# KiCad board q2v2.kicad_pcb (continued)
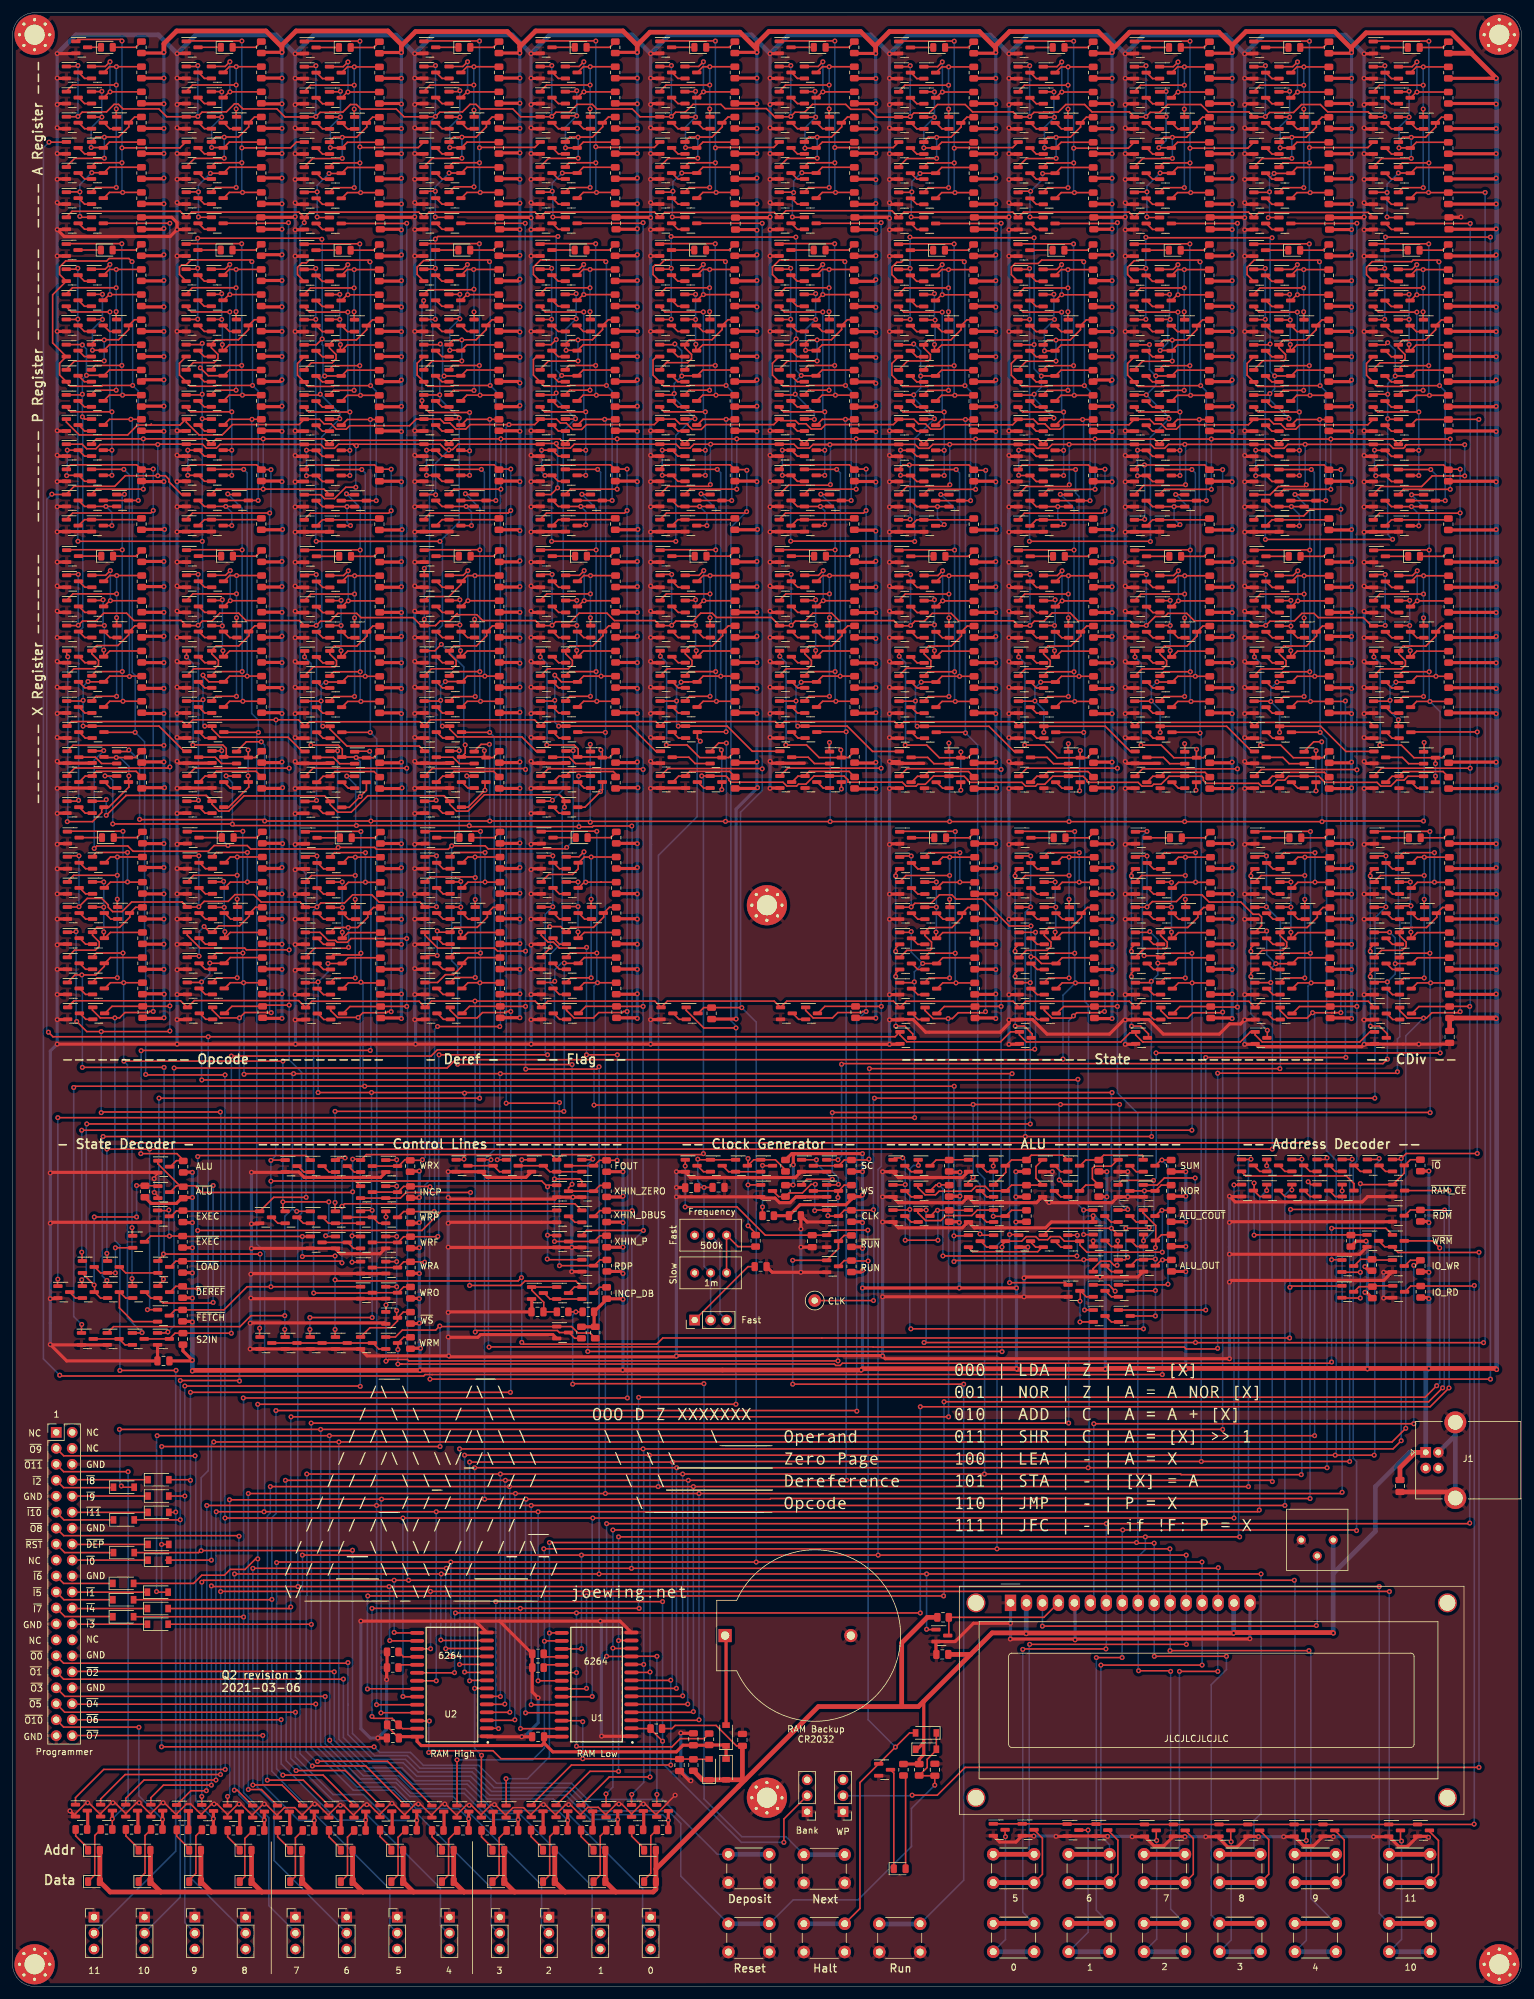
[diagram p0: board, top side]
## Nets (continued)
/Bit 10/~{P}: Q22.1 Q25.1 Q145.1 Q158.1 Q161.3 Q169.1 Q193.1 R67.2
/Bit 10/~{XIN}: Q6.1 Q45.1 Q56.1 Q59.3 Q194.1 R24.2
/Bit 10/~{XOUT}: Q148.1 Q187.1 Q198.1 Q201.3 Q367.1 R83.2
/Bit 11/A Register/A DFF/~{Q}: Q28.1 Q32.1 Q35.3 R15.2
/Bit 11/P Register/P DFF/CLR: Q7.3 Q8.3 Q21.2 Q22.2 Q27.2
/Bit 11/P Register/P DFF/Q: Q14.3 Q18.1 Q19.1 R5.2
/Bit 11/P Register/P DFF/SET: Q5.3 Q6.3 Q16.2 Q17.2
/Bit 11/X Register/X DFF/D: Q44.3 Q46.3 Q47.3 Q48.3 Q67.1 R19.2
/Bit 11/XOUT: Q8.1 Q54.3 Q58.1 Q59.1 R21.2
/Bit 11/~{P}: Q3.1 Q16.1 Q19.3 Q27.1 Q51.1 R8.2
/Decoder/~{STATE_DEREF}: Q82.3 Q106.1 Q128.1 R36.2
/Decoder/~{STATE_LOAD}: Q83.3 Q97.1 Q122.1 R37.2
/Logic/~{WS}: Q105.1 Q108.1 Q110.1 Q111.3 Q113.1 Q120.1 Q142.1 R52.2
/Memory/BANK: R300.2 SW3.2 U1.2 U2.2
/Memory/~{ABUS11}: Q687.1 Q692.2 Q694.3 R301.2
A0: Q476.1 Q478.1 Q513.1 Q923.3 Q927.1 Q928.1 R410.2
ABUS0: Q679.1 Q889.1 Q896.3 Q938.3 R399.2 U1.10 U2.10
ABUS1: Q680.1 Q779.3 Q821.3 Q885.1 R336.2 U1.9 U2.9
ABUS2: Q599.3 Q641.3 Q681.1 Q881.1 R253.2 U1.8 U2.8
ABUS3: Q400.3 Q442.3 Q682.1 Q877.1 R172.2 U1.7 U2.7
ABUS4: Q227.3 Q269.3 Q685.1 Q873.1 R94.2 U1.6 U2.6
ABUS5: Q686.1 Q869.1 Q1055.3 Q1089.3 R426.2 U1.5 U2.5
ABUS6: Q688.1 Q891.1 Q991.3 Q1013.3 R435.2 U1.4 U2.4
ABUS7: Q689.1 Q697.3 Q739.3 Q887.1 R302.2 U1.3 U2.3
ABUS8: Q517.3 Q559.3 Q690.1 Q883.1 R219.2 U1.25 U2.25
ABUS9: Q318.3 Q360.3 Q691.1 Q879.1 R138.2 U1.24 U2.24
ABUS10: Q145.3 Q187.3 Q692.1 Q875.1 R60.2 U1.21 U2.21
ABUS11: Q3.3 Q45.3 Q694.1 Q871.1 R1.2 U1.23 U2.23
ALU_OUT: Q43.1 Q492.3 R215.2
CDIV: Q311.1 Q960.3 Q964.1 Q965.1 R428.2
CLK: Q303.1 Q308.3 Q310.1 Q968.1 Q971.1 R132.2 TP1.1
DBUS0: DS1.7 Q890.1 Q893.3 Q921.3 Q940.1 R400.2 SW20.1 U1.11
DBUS1: DS1.8 Q776.3 Q804.3 Q823.1 Q886.1 R337.2 SW19.1 U1.12
DBUS2: DS1.9 Q596.3 Q624.3 Q643.1 Q882.1 R254.2 SW18.1 U1.13
DBUS3: DS1.10 Q397.3 Q425.3 Q444.1 Q878.1 R173.2 SW17.1 U1.15
DBUS4: DS1.11 Q224.3 Q252.3 Q271.1 Q874.1 R95.2 SW16.1 U1.16
DBUS5: DS1.12 Q870.1 Q958.3 Q1038.3 Q1057.1 R427.2 SW15.1 U1.17
DBUS6: DS1.13 Q892.1 Q974.3 Q993.1 Q1011.3 R436.2 SW14.1 U2.11
DBUS7: DS1.14 Q103.1 Q695.3 Q722.3 Q747.1 Q888.1 R303.2 SW13.1 U2.12
DBUS8: Q515.3 Q542.3 Q567.1 Q595.1 Q856.1 Q884.1 R220.2 SW12.1 U2.13
DBUS9: Q316.3 Q343.3 Q368.1 Q396.1 Q880.1 R139.2 SW11.1 U2.15
DBUS10: Q143.3 Q170.3 Q195.1 Q223.1 Q876.1 R61.2 SW10.1 U2.16
DBUS11: Q1.3 Q28.3 Q53.1 Q81.1 Q872.1 R2.2 SW9.1 U2.17
DEP: Q2.1 Q144.1 Q225.1 Q317.1 Q398.1 Q516.1 Q597.1 Q696.1 Q777.1 Q855.3 Q894.1 Q959.1 Q975.1 R373.2
DEREF: Q82.1 Q582.3 Q586.1 Q587.1 R246.2
F: Q490.1 Q493.1 Q496.1 Q498.1 Q762.3 Q766.1 Q767.1 R329.2
INCP_CLK: Q109.3 Q110.3 Q915.1 Q918.1 R50.2
IO_RD: Q676.3 Q857.1 Q858.1 Q859.1 Q860.1 Q861.1 Q862.1 Q863.1 Q864.1 Q865.1 Q866.1 Q867.1 Q868.1 R290.2
IO_WR: DS1.6 Q675.3 R289.2
NEXTF: Q124.3 Q125.3 Q775.1 R58.2
O0: Q95.1 Q383.3 Q387.1 Q388.1 Q500.1 Q507.1 Q509.1 R165.2
O1: Q96.1 Q130.1 Q132.1 Q139.1 Q210.3 Q214.1 Q215.1 Q510.1 Q512.1 R87.2
O2: Q68.3 Q72.1 Q73.1 Q93.1 Q115.1 Q133.1 R28.2
RDA_DBUS: Q29.1 Q123.3 Q137.1 Q171.1 Q253.1 Q344.1 Q426.1 Q543.1 Q625.1 Q723.1 Q805.1 Q922.1 Q1012.1 Q1039.1 R56.2
RDM: Q87.3 Q114.1 Q123.1 Q131.1 Q141.1 Q677.1 Q693.1 R38.2
RDP_ABUS: Q4.1 Q101.3 Q146.1 Q228.1 Q319.1 Q401.1 Q518.1 Q600.1 Q698.1 Q780.1 Q897.1 Q1014.1 Q1090.1 R46.2
RDX_ABUS: Q50.1 Q84.3 Q99.1 Q101.1 Q102.1 Q104.1 Q109.1 Q129.1 Q192.1 Q273.1 Q365.1 Q446.1 Q564.1 Q645.1 Q744.1 Q825.1 Q942.1 Q995.1 Q1059.1 R35.2
S0: Q85.1 Q87.1 Q841.3 Q845.1 Q846.1 R363.2
S1: Q88.1 Q661.3 Q665.1 Q666.1 R280.2
S2: Q94.1 Q462.3 Q466.1 Q467.1 R199.2
S2IN: Q93.3 Q94.3 Q475.1 R42.2
SC: Q303.3 Q304.3 Q849.1 Q852.1 R128.2
WRA: Q38.1 Q41.1 Q112.3 Q113.3 Q180.1 Q183.1 Q262.1 Q265.1 Q353.1 Q356.1 Q435.1 Q438.1 Q552.1 Q555.1 Q634.1 Q637.1 Q732.1 Q735.1 Q814.1 Q817.1 Q931.1 Q934.1 Q984.1 Q987.1 Q1048.1 Q1051.1 R51.2
WRF: Q107.3 Q108.3 Q770.1 Q773.1 R49.2
WRM: Q134.3 Q678.1 Q683.1 R59.2
WRO: Q76.1 Q79.1 Q104.3 Q105.3 Q218.1 Q221.1 Q391.1 Q394.1 Q590.1 Q593.1 R39.2
WRX: Q62.1 Q65.1 Q119.3 Q120.3 Q204.1 Q207.1 Q283.1 Q286.1 Q377.1 Q380.1 Q456.1 Q459.1 Q576.1 Q579.1 Q655.1 Q658.1 Q756.1 Q759.1 Q835.1 Q838.1 Q952.1 Q955.1 Q1005.1 Q1008.1 Q1069.1 Q1072.1 R55.2
WS: Q111.1 Q121.1 Q310.3 Q311.3 R133.2
X0: Q480.1 Q482.1 Q501.1 Q514.1 Q901.1 Q944.3 Q948.1 Q949.1 R419.2
X1: Q504.1 Q784.1 Q827.3 Q831.1 Q832.1 R356.2
XHIN_DBUS: Q44.1 Q97.3 Q186.1 Q359.1 Q558.1 Q738.1 R45.2
XHIN_P: Q46.1 Q100.1 Q102.3 Q103.3 Q188.1 Q361.1 Q560.1 Q740.1 R44.2
XHIN_ZERO: Q48.1 Q99.3 Q100.3 Q190.1 Q363.1 Q562.1 Q742.1 R43.2
XIN_SHIFT: Q47.1 Q98.3 Q189.1 Q270.1 Q362.1 Q443.1 Q561.1 Q642.1 Q741.1 Q822.1 Q939.1 Q992.1 Q1056.1 R48.2
XLIN_DBUS: Q90.3 Q98.1 Q107.1 Q112.1 Q119.1 Q125.1 Q268.1 Q441.1 Q640.1 Q820.1 Q937.1 Q990.1 Q1054.1 R40.2
~{ALU_COUT}: Q124.1 Q494.3 Q495.3 Q496.3 R214.2
~{CDIV}: Q304.1 Q962.1 Q965.3 Q973.1 R431.2
~{DBUS8}: DS1.4 Q856.3 R374.2
~{DEP_SW}: D78.2 Q134.1 Q855.1 R371.2 SW6.1
~{DOUT0}: J2.29 Q890.3 R396.2
~{DOUT1}: J2.31 Q886.3 R392.2
~{DOUT2}: J2.32 Q882.3 R388.2
~{DOUT3}: J2.33 Q878.3 R384.2
~{DOUT4}: J2.36 Q874.3 R380.2
~{DOUT5}: J2.35 Q870.3 R376.2
~{DOUT6}: J2.38 Q892.3 R398.2
~{DOUT7}: J2.40 Q888.3 R394.2
~{DOUT8}: J2.13 Q884.3 R390.2
~{DOUT9}: J2.3 Q880.3 R386.2
~{DOUT10}: J2.37 Q876.3 R382.2
~{DOUT11}: J2.5 Q872.3 R378.2
~{F}: Q127.1 Q764.1 Q767.3 R332.2
~{INCP_SW}: R53.2 R372.2 SW8.1
~{IO}: Q677.2 Q678.2 Q679.3 Q684.1 R287.2
~{O0}: Q126.1 Q135.1 Q140.1 Q385.1 Q388.3 Q499.1 Q506.1 Q508.1 R168.2
~{O1}: Q212.1 Q215.3 Q505.1 Q511.1 R90.2
~{O2}: Q70.1 Q73.3 Q83.1 Q138.1 R31.2
~{RAM_CE}: Q684.3 R293.2 U1.20 U2.20
~{RDM}: Q693.3 R299.2 U1.22 U2.22
~{RST}: C25.2 D41.1 D42.2 D77.2 Q9.1 Q11.1 Q151.1 Q153.1 Q226.1 Q233.1 Q235.1 Q324.1 Q326.1 Q399.1 Q406.1 Q408.1 Q523.1 Q525.1 Q598.1 Q605.1 Q607.1 Q703.1 Q705.1 Q778.1 Q785.1 Q787.1 Q895.1 Q902.1 Q904.1 Q1019.1 Q1021.1 Q1095.1 Q1097.1 R370.2 SW5.1
~{S0}: Q84.1 Q86.1 Q669.1 Q672.1 Q843.1 Q846.3 Q854.1 R366.2
~{S1}: Q89.1 Q470.1 Q473.1 Q663.1 Q666.3 Q674.1 R283.2
~{S2}: Q91.1 Q297.1 Q300.1 Q464.1 Q467.3 R202.2
~{S3}: Q92.1 Q291.1 Q294.3 Q302.1 R124.2
~{START_SW}: Q313.3 Q314.1 R135.2 SW7.1
~{STOP_SW}: C24.2 D41.2 Q312.1 Q313.1 Q314.3 Q315.1 R136.2 SW4.1
~{SW0}: D79.2 Q893.1 Q903.1 Q906.1 R401.2 SW31.2
~{SW1}: D80.2 Q776.1 Q786.1 Q789.1 R338.2 SW29.2
~{SW2}: D73.2 Q596.1 Q606.1 Q609.1 R255.2 SW27.2
~{SW3}: D74.2 Q397.1 Q407.1 Q410.1 R174.2 SW25.2
~{SW4}: D75.2 Q224.1 Q234.1 Q237.1 R96.2 SW23.2
~{SW5}: D76.2 Q958.1 Q1096.1 Q1099.1 R485.2 SW21.2
~{SW6}: D82.2 Q974.1 Q1020.1 Q1023.1 R453.2 SW32.2
~{SW7}: D81.2 Q695.1 Q704.1 Q707.1 R304.2 SW30.2
~{SW8}: D72.2 Q515.1 Q524.1 Q527.1 R221.2 SW28.2
~{SW9}: D71.2 Q316.1 Q325.1 Q328.1 R140.2 SW26.2
~{SW10}: D70.2 Q143.1 Q152.1 Q155.1 R62.2 SW24.2
~{SW11}: D69.2 Q1.1 Q10.1 Q13.1 R3.2 SW22.2
~{WRM}: Q683.3 R292.2 U1.27 U2.27
~{WRP}: Q5.1 Q7.1 Q121.3 Q147.1 Q149.1 Q229.1 Q231.1 Q320.1 Q322.1 Q402.1 Q404.1 Q519.1 Q521.1 Q601.1 Q603.1 Q699.1 Q701.1 Q781.1 Q783.1 Q898.1 Q900.1 Q1015.1 Q1017.1 Q1091.1 Q1093.1 R57.2
~{X0}: Q136.1 Q899.1 Q938.1 Q946.1 Q949.3 R422.2
Net-(BT1-Pad1): BT1.1 D30.2
Net-(C7-Pad2): C7.2 Q116.1 Q118.1 R53.1
Net-(C11-Pad2): C11.2 SW1.1
Net-(C12-Pad2): C12.2 C13.2 Q305.1 Q309.1 RV1.2 SW1.2
Net-(C18-Pad2): C18.2 C19.2 C20.1 D30.1 D31.1 R292.1 R293.1 U1.28 U2.28
Net-(C21-Pad2): C21.2 D32.2 R298.2 U1.26 U2.26
Net-(D1-Pad1): D1.1 Q18.3
Net-(D1-Pad2): D1.2 R7.2
Net-(D2-Pad1): D2.1 Q34.3
Net-(D2-Pad2): D2.2 R14.2
Net-(D3-Pad1): D3.1 Q58.3
Net-(D3-Pad2): D3.2 R23.2
Net-(D4-Pad1): D4.1 Q72.3
Net-(D4-Pad2): D4.2 R30.2
Net-(D5-Pad1): D5.1 Q160.3
Net-(D5-Pad2): D5.2 R66.2
Net-(D6-Pad1): D6.1 Q176.3
Net-(D6-Pad2): D6.2 R73.2
Net-(D7-Pad1): D7.1 Q200.3
Net-(D7-Pad2): D7.2 R82.2
Net-(D8-Pad1): D8.1 Q214.3
Net-(D8-Pad2): D8.2 R89.2
Net-(D9-Pad1): D9.1 Q242.3
Net-(D9-Pad2): D9.2 R100.2
Net-(D10-Pad1): D10.1 Q258.3
Net-(D10-Pad2): D10.2 R107.2
Net-(D11-Pad1): D11.1 Q279.3
Net-(D11-Pad2): D11.2 R116.2
Net-(D12-Pad1): D12.1 Q293.3
Net-(D12-Pad2): D12.2 R123.2
Net-(D13-Pad1): D13.1 Q315.3
Net-(D13-Pad2): D13.2 R137.2
Net-(D14-Pad1): D14.1 Q333.3
Net-(D14-Pad2): D14.2 R144.2
Net-(D15-Pad1): D15.1 Q349.3
Net-(D15-Pad2): D15.2 R151.2
Net-(D16-Pad1): D16.1 Q373.3
Net-(D16-Pad2): D16.2 R160.2
Net-(D17-Pad1): D17.1 Q387.3
Net-(D17-Pad2): D17.2 R167.2
Net-(D18-Pad1): D18.1 Q415.3
Net-(D18-Pad2): D18.2 R178.2
Net-(D19-Pad1): D19.1 Q431.3
Net-(D19-Pad2): D19.2 R185.2
Net-(D20-Pad1): D20.1 Q452.3
Net-(D20-Pad2): D20.2 R194.2
Net-(D21-Pad1): D21.1 Q466.3
Net-(D21-Pad2): D21.2 R201.2
Net-(D22-Pad1): D22.1 Q532.3
Net-(D22-Pad2): D22.2 R225.2
Net-(D23-Pad1): D23.1 Q548.3
Net-(D23-Pad2): D23.2 R232.2
Net-(D24-Pad1): D24.1 Q572.3
Net-(D24-Pad2): D24.2 R241.2
Net-(D25-Pad1): D25.1 Q586.3
Net-(D25-Pad2): D25.2 R248.2
Net-(D26-Pad1): D26.1 Q614.3
Net-(D26-Pad2): D26.2 R259.2
Net-(D27-Pad1): D27.1 Q630.3
Net-(D27-Pad2): D27.2 R266.2
Net-(D28-Pad1): D28.1 Q651.3
Net-(D28-Pad2): D28.2 R275.2
Net-(D29-Pad1): D29.1 Q665.3
Net-(D29-Pad2): D29.2 R282.2
Net-(D33-Pad1): D33.1 Q712.3
Net-(D33-Pad2): D33.2 R308.2
Net-(D34-Pad1): D34.1 Q728.3
Net-(D34-Pad2): D34.2 R315.2
Net-(D35-Pad1): D35.1 Q752.3
Net-(D35-Pad2): D35.2 R324.2
Net-(D36-Pad1): D36.1 Q766.3
Net-(D36-Pad2): D36.2 R331.2
Net-(D37-Pad1): D37.1 Q794.3
Net-(D37-Pad2): D37.2 R342.2
Net-(D38-Pad1): D38.1 Q810.3
Net-(D38-Pad2): D38.2 R349.2
Net-(D39-Pad1): D39.1 Q831.3
Net-(D39-Pad2): D39.2 R358.2
Net-(D40-Pad1): D40.1 Q845.3
Net-(D40-Pad2): D40.2 R365.2
Net-(D43-Pad1): D43.1 R375.1
Net-(D44-Pad1): D44.1 R376.1
Net-(D45-Pad1): D45.1 R377.1
Net-(D46-Pad1): D46.1 R378.1
Net-(D47-Pad1): D47.1 R379.1
Net-(D48-Pad1): D48.1 R380.1
Net-(D49-Pad1): D49.1 R381.1
Net-(D50-Pad1): D50.1 R382.1
Net-(D51-Pad1): D51.1 R383.1
Net-(D52-Pad1): D52.1 R384.1
Net-(D53-Pad1): D53.1 R385.1
Net-(D54-Pad1): D54.1 R386.1
Net-(D55-Pad1): D55.1 R387.1
Net-(D56-Pad1): D56.1 R388.1
Net-(D57-Pad1): D57.1 R389.1
Net-(D58-Pad1): D58.1 R390.1
Net-(D59-Pad1): D59.1 R391.1
Net-(D60-Pad1): D60.1 R392.1
Net-(D61-Pad1): D61.1 R393.1
Net-(D62-Pad1): D62.1 R394.1
Net-(D63-Pad1): D63.1 R395.1
Net-(D64-Pad1): D64.1 R396.1
Net-(D65-Pad1): D65.1 R397.1
Net-(D66-Pad1): D66.1 R398.1
Net-(D67-Pad1): D67.1 Q911.3
Net-(D67-Pad2): D67.2 R405.2
Net-(D68-Pad1): D68.1 Q927.3
Net-(D68-Pad2): D68.2 R412.2
Net-(D69-Pad1): D69.1 J2.12
Net-(D70-Pad1): D70.1 J2.11
Net-(D71-Pad1): D71.1 J2.10
Net-(D72-Pad1): D72.1 J2.8
Net-(D73-Pad1): D73.1 J2.7
Net-(D74-Pad1): D74.1 J2.26
Net-(D75-Pad1): D75.1 J2.24
Net-(D76-Pad1): D76.1 J2.21
Net-(D77-Pad1): D77.1 J2.15
Net-(D78-Pad1): D78.1 J2.16
Net-(D79-Pad1): D79.1 J2.18
Net-(D80-Pad1): D80.1 J2.22
Net-(D81-Pad1): D81.1 J2.23
Net-(D82-Pad1): D82.1 J2.19
Net-(D83-Pad1): D83.1 Q948.3
Net-(D83-Pad2): D83.2 R421.2
Net-(D84-Pad1): D84.1 Q964.3
Net-(D84-Pad2): D84.2 R430.2
Net-(D85-Pad1): D85.1 Q980.3
Net-(D85-Pad2): D85.2 R439.2
Net-(D86-Pad1): D86.1 Q1001.3
Net-(D86-Pad2): D86.2 R448.2
Net-(D87-Pad1): D87.1 Q1028.3
Net-(D87-Pad2): D87.2 R457.2
Net-(D88-Pad1): D88.1 Q1044.3
Net-(D88-Pad2): D88.2 R464.2
Net-(D89-Pad1): D89.1 Q1065.3
Net-(D89-Pad2): D89.2 R473.2
Net-(D90-Pad1): D90.1 Q1079.3
Net-(D90-Pad2): D90.2 R480.2
Net-(DS1-Pad3): DS1.3 RV3.2
Net-(Q1-Pad2): Q1.2 Q2.3
Net-(Q3-Pad2): Q3.2 Q4.3
Net-(Q10-Pad3): Q5.2 Q6.2 Q9.3 Q10.3
Net-(Q11-Pad3): Q7.2 Q8.2 Q11.3 Q12.3
Net-(Q12-Pad1): Q12.1 Q13.3 R4.2
Net-(Q14-Pad1): Q14.1 Q17.1 Q20.3 Q23.1 R9.2
Net-(Q14-Pad2): Q14.2 Q16.3
Net-(Q15-Pad1): Q15.1 Q24.1 Q26.3 R11.2
Net-(Q15-Pad2): Q15.2 Q17.3
Net-(Q15-Pad3): Q15.3 Q20.1 R6.2
Net-(Q19-Pad2): Q19.2 Q21.3
Net-(Q20-Pad2): Q20.2 Q22.3
Net-(Q21-Pad1): Q21.1 Q23.3 Q26.1 R10.2
Net-(Q23-Pad2): Q23.2 Q24.3
Net-(Q24-Pad2): Q24.2 Q25.3
Net-(Q26-Pad2): Q26.2 Q27.3
Net-(Q28-Pad2): Q28.2 Q29.3
Net-(Q30-Pad1): Q30.1 Q33.1 Q36.3 Q39.1 R16.2
Net-(Q30-Pad2): Q30.2 Q32.3
Net-(Q31-Pad1): Q31.1 Q40.1 Q42.3 R18.2
Net-(Q31-Pad2): Q31.2 Q33.3
Net-(Q31-Pad3): Q31.3 Q36.1 R13.2
Net-(Q35-Pad2): Q35.2 Q37.3
Net-(Q36-Pad2): Q36.2 Q38.3
Net-(Q37-Pad1): Q37.1 Q39.3 Q42.1 R17.2
Net-(Q39-Pad2): Q39.2 Q40.3
Net-(Q40-Pad2): Q40.2 Q41.3
Net-(Q42-Pad2): Q42.2 Q43.3
Net-(Q44-Pad2): Q44.2 Q49.3
Net-(Q45-Pad2): Q45.2 Q50.3
Net-(Q46-Pad2): Q46.2 Q51.3
Net-(Q47-Pad2): Q47.2 Q52.3
Net-(Q49-Pad1): Q49.1 Q53.3 R20.2
Net-(Q54-Pad1): Q54.1 Q57.1 Q60.3 Q63.1 R25.2
Net-(Q54-Pad2): Q54.2 Q56.3
Net-(Q55-Pad1): Q55.1 Q64.1 Q66.3 R27.2
Net-(Q55-Pad2): Q55.2 Q57.3
Net-(Q55-Pad3): Q55.3 Q60.1 R22.2
Net-(Q59-Pad2): Q59.2 Q61.3
Net-(Q60-Pad2): Q60.2 Q62.3
Net-(Q61-Pad1): Q61.1 Q63.3 Q66.1 R26.2
Net-(Q63-Pad2): Q63.2 Q64.3
Net-(Q64-Pad2): Q64.2 Q65.3
Net-(Q66-Pad2): Q66.2 Q67.3
Net-(Q68-Pad1): Q68.1 Q71.1 Q74.3 Q77.1 R32.2
Net-(Q68-Pad2): Q68.2 Q70.3
Net-(Q69-Pad1): Q69.1 Q78.1 Q80.3 R34.2
Net-(Q69-Pad2): Q69.2 Q71.3
Net-(Q69-Pad3): Q69.3 Q74.1 R29.2
Net-(Q73-Pad2): Q73.2 Q75.3
Net-(Q74-Pad2): Q74.2 Q76.3
Net-(Q75-Pad1): Q75.1 Q77.3 Q80.1 R33.2
Net-(Q77-Pad2): Q77.2 Q78.3
Net-(Q78-Pad2): Q78.2 Q79.3
Net-(Q80-Pad2): Q80.2 Q81.3
Net-(Q82-Pad2): Q82.2 Q85.3
Net-(Q83-Pad2): Q83.2 Q86.3
Net-(Q84-Pad2): Q84.2 Q85.2 Q89.3
Net-(Q86-Pad2): Q86.2 Q87.2 Q88.3
Net-(Q88-Pad2): Q88.2 Q89.2 Q90.1 Q91.3 R41.2
Net-(Q91-Pad2): Q91.2 Q92.3
Net-(Q93-Pad2): Q93.2 Q95.3 Q96.3
Net-(Q106-Pad3): Q97.2 Q106.3
Net-(Q107-Pad2): Q107.2 Q114.3 Q115.3
Net-(Q109-Pad2): Q109.2 Q110.2 Q116.3 Q117.1
Net-(Q116-Pad2): Q116.2 Q117.2 Q118.3
Net-(Q117-Pad3): Q117.3 R54.2
Net-(Q119-Pad2): Q119.2 Q122.3
Net-(Q121-Pad2): Q121.2 Q126.3 Q127.3
Net-(Q122-Pad2): Q122.2 Q128.3
Net-(Q124-Pad2): Q124.2 Q125.2 Q130.3 Q131.3
Net-(Q126-Pad2): Q126.2 Q127.2 Q132.3
Net-(Q128-Pad2): Q128.2 Q129.3
Net-(Q130-Pad2): Q130.2 Q135.3 Q136.3
Net-(Q132-Pad2): Q132.2 Q133.3
Net-(Q133-Pad2): Q133.2 Q137.3
Net-(Q134-Pad2): Q134.2 Q138.3 Q139.3 Q140.3 Q141.3 Q142.3
Net-(Q143-Pad2): Q143.2 Q144.3
Net-(Q145-Pad2): Q145.2 Q146.3
Net-(Q147-Pad2): Q147.2 Q148.2 Q151.3 Q152.3
Net-(Q149-Pad2): Q149.2 Q150.2 Q153.3 Q154.3
Net-(Q154-Pad1): Q154.1 Q155.3 R63.2
Net-(Q156-Pad1): Q156.1 Q159.1 Q162.3 Q165.1 R68.2
Net-(Q156-Pad2): Q156.2 Q158.3
Net-(Q157-Pad1): Q157.1 Q166.1 Q168.3 R70.2
Net-(Q157-Pad2): Q157.2 Q159.3
Net-(Q157-Pad3): Q157.3 Q162.1 R65.2
Net-(Q161-Pad2): Q161.2 Q163.3
Net-(Q162-Pad2): Q162.2 Q164.3
Net-(Q163-Pad1): Q163.1 Q165.3 Q168.1 R69.2
Net-(Q165-Pad2): Q165.2 Q166.3
Net-(Q166-Pad2): Q166.2 Q167.3
Net-(Q168-Pad2): Q168.2 Q169.3
Net-(Q170-Pad2): Q170.2 Q171.3
Net-(Q172-Pad1): Q172.1 Q175.1 Q178.3 Q181.1 R75.2
Net-(Q172-Pad2): Q172.2 Q174.3
Net-(Q173-Pad1): Q173.1 Q182.1 Q184.3 R77.2
Net-(Q173-Pad2): Q173.2 Q175.3
Net-(Q173-Pad3): Q173.3 Q178.1 R72.2
Net-(Q177-Pad2): Q177.2 Q179.3
Net-(Q178-Pad2): Q178.2 Q180.3
Net-(Q179-Pad1): Q179.1 Q181.3 Q184.1 R76.2
Net-(Q181-Pad2): Q181.2 Q182.3
Net-(Q182-Pad2): Q182.2 Q183.3
Net-(Q184-Pad2): Q184.2 Q185.3
Net-(Q186-Pad2): Q186.2 Q191.3
Net-(Q187-Pad2): Q187.2 Q192.3
Net-(Q188-Pad2): Q188.2 Q193.3
Net-(Q189-Pad2): Q189.2 Q194.3
Net-(Q191-Pad1): Q191.1 Q195.3 R79.2
Net-(Q196-Pad1): Q196.1 Q199.1 Q202.3 Q205.1 R84.2
Net-(Q196-Pad2): Q196.2 Q198.3
Net-(Q197-Pad1): Q197.1 Q206.1 Q208.3 R86.2
Net-(Q197-Pad2): Q197.2 Q199.3
Net-(Q197-Pad3): Q197.3 Q202.1 R81.2
Net-(Q201-Pad2): Q201.2 Q203.3
Net-(Q202-Pad2): Q202.2 Q204.3
Net-(Q203-Pad1): Q203.1 Q205.3 Q208.1 R85.2
Net-(Q205-Pad2): Q205.2 Q206.3
Net-(Q206-Pad2): Q206.2 Q207.3
Net-(Q208-Pad2): Q208.2 Q209.3
Net-(Q210-Pad1): Q210.1 Q213.1 Q216.3 Q219.1 R91.2
Net-(Q210-Pad2): Q210.2 Q212.3
Net-(Q211-Pad1): Q211.1 Q220.1 Q222.3 R93.2
Net-(Q211-Pad2): Q211.2 Q213.3
Net-(Q211-Pad3): Q211.3 Q216.1 R88.2
Net-(Q215-Pad2): Q215.2 Q217.3
Net-(Q216-Pad2): Q216.2 Q218.3
Net-(Q217-Pad1): Q217.1 Q219.3 Q222.1 R92.2
Net-(Q219-Pad2): Q219.2 Q220.3
Net-(Q220-Pad2): Q220.2 Q221.3
Net-(Q222-Pad2): Q222.2 Q223.3
Net-(Q224-Pad2): Q224.2 Q225.3
Net-(Q227-Pad2): Q227.2 Q228.3
Net-(Q229-Pad2): Q229.2 Q230.2 Q233.3 Q234.3
Net-(Q231-Pad2): Q231.2 Q232.2 Q235.3 Q236.3
Net-(Q236-Pad1): Q236.1 Q237.3 R97.2
Net-(Q238-Pad1): Q238.1 Q241.1 Q244.3 Q247.1 R102.2
Net-(Q238-Pad2): Q238.2 Q240.3
Net-(Q239-Pad1): Q239.1 Q248.1 Q250.3 R104.2
Net-(Q239-Pad2): Q239.2 Q241.3
Net-(Q239-Pad3): Q239.3 Q244.1 R99.2
Net-(Q243-Pad2): Q243.2 Q245.3
Net-(Q244-Pad2): Q244.2 Q246.3
Net-(Q245-Pad1): Q245.1 Q247.3 Q250.1 R103.2
Net-(Q247-Pad2): Q247.2 Q248.3
Net-(Q248-Pad2): Q248.2 Q249.3
Net-(Q250-Pad2): Q250.2 Q251.3
Net-(Q252-Pad2): Q252.2 Q253.3
Net-(Q254-Pad1): Q254.1 Q257.1 Q260.3 Q263.1 R109.2
Net-(Q254-Pad2): Q254.2 Q256.3
Net-(Q255-Pad1): Q255.1 Q264.1 Q266.3 R111.2
Net-(Q255-Pad2): Q255.2 Q257.3
Net-(Q255-Pad3): Q255.3 Q260.1 R106.2
Net-(Q259-Pad2): Q259.2 Q261.3
Net-(Q260-Pad2): Q260.2 Q262.3
Net-(Q261-Pad1): Q261.1 Q263.3 Q266.1 R110.2
Net-(Q263-Pad2): Q263.2 Q264.3
Net-(Q264-Pad2): Q264.2 Q265.3
Net-(Q266-Pad2): Q266.2 Q267.3
Net-(Q268-Pad2): Q268.2 Q272.3
Net-(Q269-Pad2): Q269.2 Q273.3
Net-(Q270-Pad2): Q270.2 Q274.3
Net-(Q271-Pad3): Q271.3 Q272.1 R113.2
Net-(Q275-Pad1): Q275.1 Q278.1 Q281.3 Q284.1 R118.2
Net-(Q275-Pad2): Q275.2 Q277.3
Net-(Q276-Pad1): Q276.1 Q285.1 Q287.3 R120.2
Net-(Q276-Pad2): Q276.2 Q278.3
Net-(Q276-Pad3): Q276.3 Q281.1 R115.2
Net-(Q280-Pad2): Q280.2 Q282.3
Net-(Q281-Pad2): Q281.2 Q283.3
Net-(Q282-Pad1): Q282.1 Q284.3 Q287.1 R119.2
Net-(Q284-Pad2): Q284.2 Q285.3
Net-(Q285-Pad2): Q285.2 Q286.3
Net-(Q287-Pad2): Q287.2 Q288.3
Net-(Q289-Pad1): Q289.1 Q292.1 Q295.3 Q298.1 R125.2
Net-(Q289-Pad2): Q289.2 Q291.3
Net-(Q290-Pad1): Q290.1 Q299.1 Q301.3 R127.2
Net-(Q290-Pad2): Q290.2 Q292.3
Net-(Q290-Pad3): Q290.3 Q295.1 R122.2
Net-(Q294-Pad2): Q294.2 Q296.3
Net-(Q295-Pad2): Q295.2 Q297.3
Net-(Q296-Pad1): Q296.1 Q298.3 Q301.1 R126.2
Net-(Q298-Pad2): Q298.2 Q299.3
Net-(Q299-Pad2): Q299.2 Q300.3
Net-(Q301-Pad2): Q301.2 Q302.3
Net-(Q305-Pad2): Q305.2 Q306.2 Q309.3
Net-(Q305-Pad3): Q305.3 Q306.1 Q307.1 R129.2 R130.2
Net-(Q306-Pad3): Q306.3 R134.2
Net-(Q307-Pad3): Q307.3 Q308.1 R131.2
Net-(Q309-Pad2): Q309.2 Q312.3
Net-(Q316-Pad2): Q316.2 Q317.3
Net-(Q318-Pad2): Q318.2 Q319.3
Net-(Q320-Pad2): Q320.2 Q321.2 Q324.3 Q325.3
Net-(Q322-Pad2): Q322.2 Q323.2 Q326.3 Q327.3
Net-(Q327-Pad1): Q327.1 Q328.3 R141.2
Net-(Q329-Pad1): Q329.1 Q332.1 Q335.3 Q338.1 R146.2
Net-(Q329-Pad2): Q329.2 Q331.3
Net-(Q330-Pad1): Q330.1 Q339.1 Q341.3 R148.2
Net-(Q330-Pad2): Q330.2 Q332.3
Net-(Q330-Pad3): Q330.3 Q335.1 R143.2
Net-(Q334-Pad2): Q334.2 Q336.3
Net-(Q335-Pad2): Q335.2 Q337.3
Net-(Q336-Pad1): Q336.1 Q338.3 Q341.1 R147.2
Net-(Q338-Pad2): Q338.2 Q339.3
Net-(Q339-Pad2): Q339.2 Q340.3
Net-(Q341-Pad2): Q341.2 Q342.3
Net-(Q343-Pad2): Q343.2 Q344.3
Net-(Q345-Pad1): Q345.1 Q348.1 Q351.3 Q354.1 R153.2
Net-(Q345-Pad2): Q345.2 Q347.3
Net-(Q346-Pad1): Q346.1 Q355.1 Q357.3 R155.2
Net-(Q346-Pad2): Q346.2 Q348.3
Net-(Q346-Pad3): Q346.3 Q351.1 R150.2
Net-(Q350-Pad2): Q350.2 Q352.3
Net-(Q351-Pad2): Q351.2 Q353.3
Net-(Q352-Pad1): Q352.1 Q354.3 Q357.1 R154.2
Net-(Q354-Pad2): Q354.2 Q355.3
Net-(Q355-Pad2): Q355.2 Q356.3
Net-(Q357-Pad2): Q357.2 Q358.3
Net-(Q359-Pad2): Q359.2 Q364.3
Net-(Q360-Pad2): Q360.2 Q365.3
Net-(Q361-Pad2): Q361.2 Q366.3
Net-(Q362-Pad2): Q362.2 Q367.3
Net-(Q364-Pad1): Q364.1 Q368.3 R157.2
Net-(Q369-Pad1): Q369.1 Q372.1 Q375.3 Q378.1 R162.2
Net-(Q369-Pad2): Q369.2 Q371.3
Net-(Q370-Pad1): Q370.1 Q379.1 Q381.3 R164.2
Net-(Q370-Pad2): Q370.2 Q372.3
Net-(Q370-Pad3): Q370.3 Q375.1 R159.2
Net-(Q374-Pad2): Q374.2 Q376.3
Net-(Q375-Pad2): Q375.2 Q377.3
Net-(Q376-Pad1): Q376.1 Q378.3 Q381.1 R163.2
Net-(Q378-Pad2): Q378.2 Q379.3
Net-(Q379-Pad2): Q379.2 Q380.3
Net-(Q381-Pad2): Q381.2 Q382.3
Net-(Q383-Pad1): Q383.1 Q386.1 Q389.3 Q392.1 R169.2
Net-(Q383-Pad2): Q383.2 Q385.3
Net-(Q384-Pad1): Q384.1 Q393.1 Q395.3 R171.2
Net-(Q384-Pad2): Q384.2 Q386.3
Net-(Q384-Pad3): Q384.3 Q389.1 R166.2
Net-(Q388-Pad2): Q388.2 Q390.3
Net-(Q389-Pad2): Q389.2 Q391.3
Net-(Q390-Pad1): Q390.1 Q392.3 Q395.1 R170.2
Net-(Q392-Pad2): Q392.2 Q393.3
Net-(Q393-Pad2): Q393.2 Q394.3
Net-(Q395-Pad2): Q395.2 Q396.3
Net-(Q397-Pad2): Q397.2 Q398.3
Net-(Q400-Pad2): Q400.2 Q401.3
Net-(Q402-Pad2): Q402.2 Q403.2 Q406.3 Q407.3
Net-(Q404-Pad2): Q404.2 Q405.2 Q408.3 Q409.3
Net-(Q409-Pad1): Q409.1 Q410.3 R175.2
Net-(Q411-Pad1): Q411.1 Q414.1 Q417.3 Q420.1 R180.2
Net-(Q411-Pad2): Q411.2 Q413.3
Net-(Q412-Pad1): Q412.1 Q421.1 Q423.3 R182.2
Net-(Q412-Pad2): Q412.2 Q414.3
Net-(Q412-Pad3): Q412.3 Q417.1 R177.2
Net-(Q416-Pad2): Q416.2 Q418.3
Net-(Q417-Pad2): Q417.2 Q419.3
Net-(Q418-Pad1): Q418.1 Q420.3 Q423.1 R181.2
Net-(Q420-Pad2): Q420.2 Q421.3
Net-(Q421-Pad2): Q421.2 Q422.3
Net-(Q423-Pad2): Q423.2 Q424.3
Net-(Q425-Pad2): Q425.2 Q426.3
Net-(Q427-Pad1): Q427.1 Q430.1 Q433.3 Q436.1 R187.2
Net-(Q427-Pad2): Q427.2 Q429.3
Net-(Q428-Pad1): Q428.1 Q437.1 Q439.3 R189.2
Net-(Q428-Pad2): Q428.2 Q430.3
Net-(Q428-Pad3): Q428.3 Q433.1 R184.2
Net-(Q432-Pad2): Q432.2 Q434.3
Net-(Q433-Pad2): Q433.2 Q435.3
Net-(Q434-Pad1): Q434.1 Q436.3 Q439.1 R188.2
Net-(Q436-Pad2): Q436.2 Q437.3
Net-(Q437-Pad2): Q437.2 Q438.3
Net-(Q439-Pad2): Q439.2 Q440.3
Net-(Q441-Pad2): Q441.2 Q445.3
Net-(Q442-Pad2): Q442.2 Q446.3
Net-(Q443-Pad2): Q443.2 Q447.3
Net-(Q444-Pad3): Q444.3 Q445.1 R191.2
Net-(Q448-Pad1): Q448.1 Q451.1 Q454.3 Q457.1 R196.2
Net-(Q448-Pad2): Q448.2 Q450.3
Net-(Q449-Pad1): Q449.1 Q458.1 Q460.3 R198.2
Net-(Q449-Pad2): Q449.2 Q451.3
Net-(Q449-Pad3): Q449.3 Q454.1 R193.2
Net-(Q453-Pad2): Q453.2 Q455.3
Net-(Q454-Pad2): Q454.2 Q456.3
Net-(Q455-Pad1): Q455.1 Q457.3 Q460.1 R197.2
Net-(Q457-Pad2): Q457.2 Q458.3
Net-(Q458-Pad2): Q458.2 Q459.3
Net-(Q460-Pad2): Q460.2 Q461.3
Net-(Q462-Pad1): Q462.1 Q465.1 Q468.3 Q471.1 R203.2
Net-(Q462-Pad2): Q462.2 Q464.3
Net-(Q463-Pad1): Q463.1 Q472.1 Q474.3 R205.2
Net-(Q463-Pad2): Q463.2 Q465.3
Net-(Q463-Pad3): Q463.3 Q468.1 R200.2
Net-(Q467-Pad2): Q467.2 Q469.3
Net-(Q468-Pad2): Q468.2 Q470.3
Net-(Q469-Pad1): Q469.1 Q471.3 Q474.1 R204.2
Net-(Q471-Pad2): Q471.2 Q472.3
Net-(Q472-Pad2): Q472.2 Q473.3
Net-(Q474-Pad2): Q474.2 Q475.3
Net-(Q476-Pad2): Q476.2 Q477.3
Net-(Q476-Pad3): Q476.3 Q479.1 R206.2
Net-(Q477-Pad1): Q477.1 Q478.3 Q483.1 Q489.1 R207.2
Net-(Q478-Pad2): Q478.2 Q480.3
Net-(Q479-Pad2): Q479.2 Q481.3
Net-(Q479-Pad3): Q479.3 Q484.1 Q487.1 R208.2
Net-(Q481-Pad1): Q481.1 Q482.3 R209.2
Net-(Q482-Pad2): Q482.2 Q483.3
Net-(Q484-Pad2): Q484.2 Q486.3
Net-(Q484-Pad3): Q484.3 Q488.1 R210.2
Net-(Q485-Pad1): Q485.1 Q486.1 Q487.3 Q497.1 R212.2
Net-(Q485-Pad2): Q485.2 Q489.3
Net-(Q485-Pad3): Q485.3 Q495.1 R211.2
Net-(Q487-Pad2): Q487.2 Q490.3
Net-(Q488-Pad2): Q488.2 Q491.3
Net-(Q491-Pad1): Q491.1 Q493.3 R216.2
Net-(Q493-Pad2): Q493.2 Q497.3
Net-(Q494-Pad2): Q494.2 Q498.3
Net-(Q495-Pad2): Q495.2 Q499.3
Net-(Q496-Pad2): Q496.2 Q500.3
Net-(Q498-Pad2): Q498.2 Q505.3
Net-(Q499-Pad2): Q499.2 Q500.2 Q510.3
Net-(Q501-Pad2): Q501.2 Q506.3
Net-(Q502-Pad2): Q502.2 Q507.3
Net-(Q503-Pad2): Q503.2 Q508.3
Net-(Q504-Pad2): Q504.2 Q509.3
Net-(Q506-Pad2): Q506.2 Q507.2 Q511.3
Net-(Q508-Pad2): Q508.2 Q509.2 Q512.3
Net-(Q515-Pad2): Q515.2 Q516.3
Net-(Q517-Pad2): Q517.2 Q518.3
Net-(Q519-Pad2): Q519.2 Q520.2 Q523.3 Q524.3
Net-(Q521-Pad2): Q521.2 Q522.2 Q525.3 Q526.3
Net-(Q526-Pad1): Q526.1 Q527.3 R222.2
Net-(Q528-Pad1): Q528.1 Q531.1 Q534.3 Q537.1 R227.2
Net-(Q528-Pad2): Q528.2 Q530.3
Net-(Q529-Pad1): Q529.1 Q538.1 Q540.3 R229.2